# Altium PCB 400503.PcbDoc (part 2 of 3) (continued)
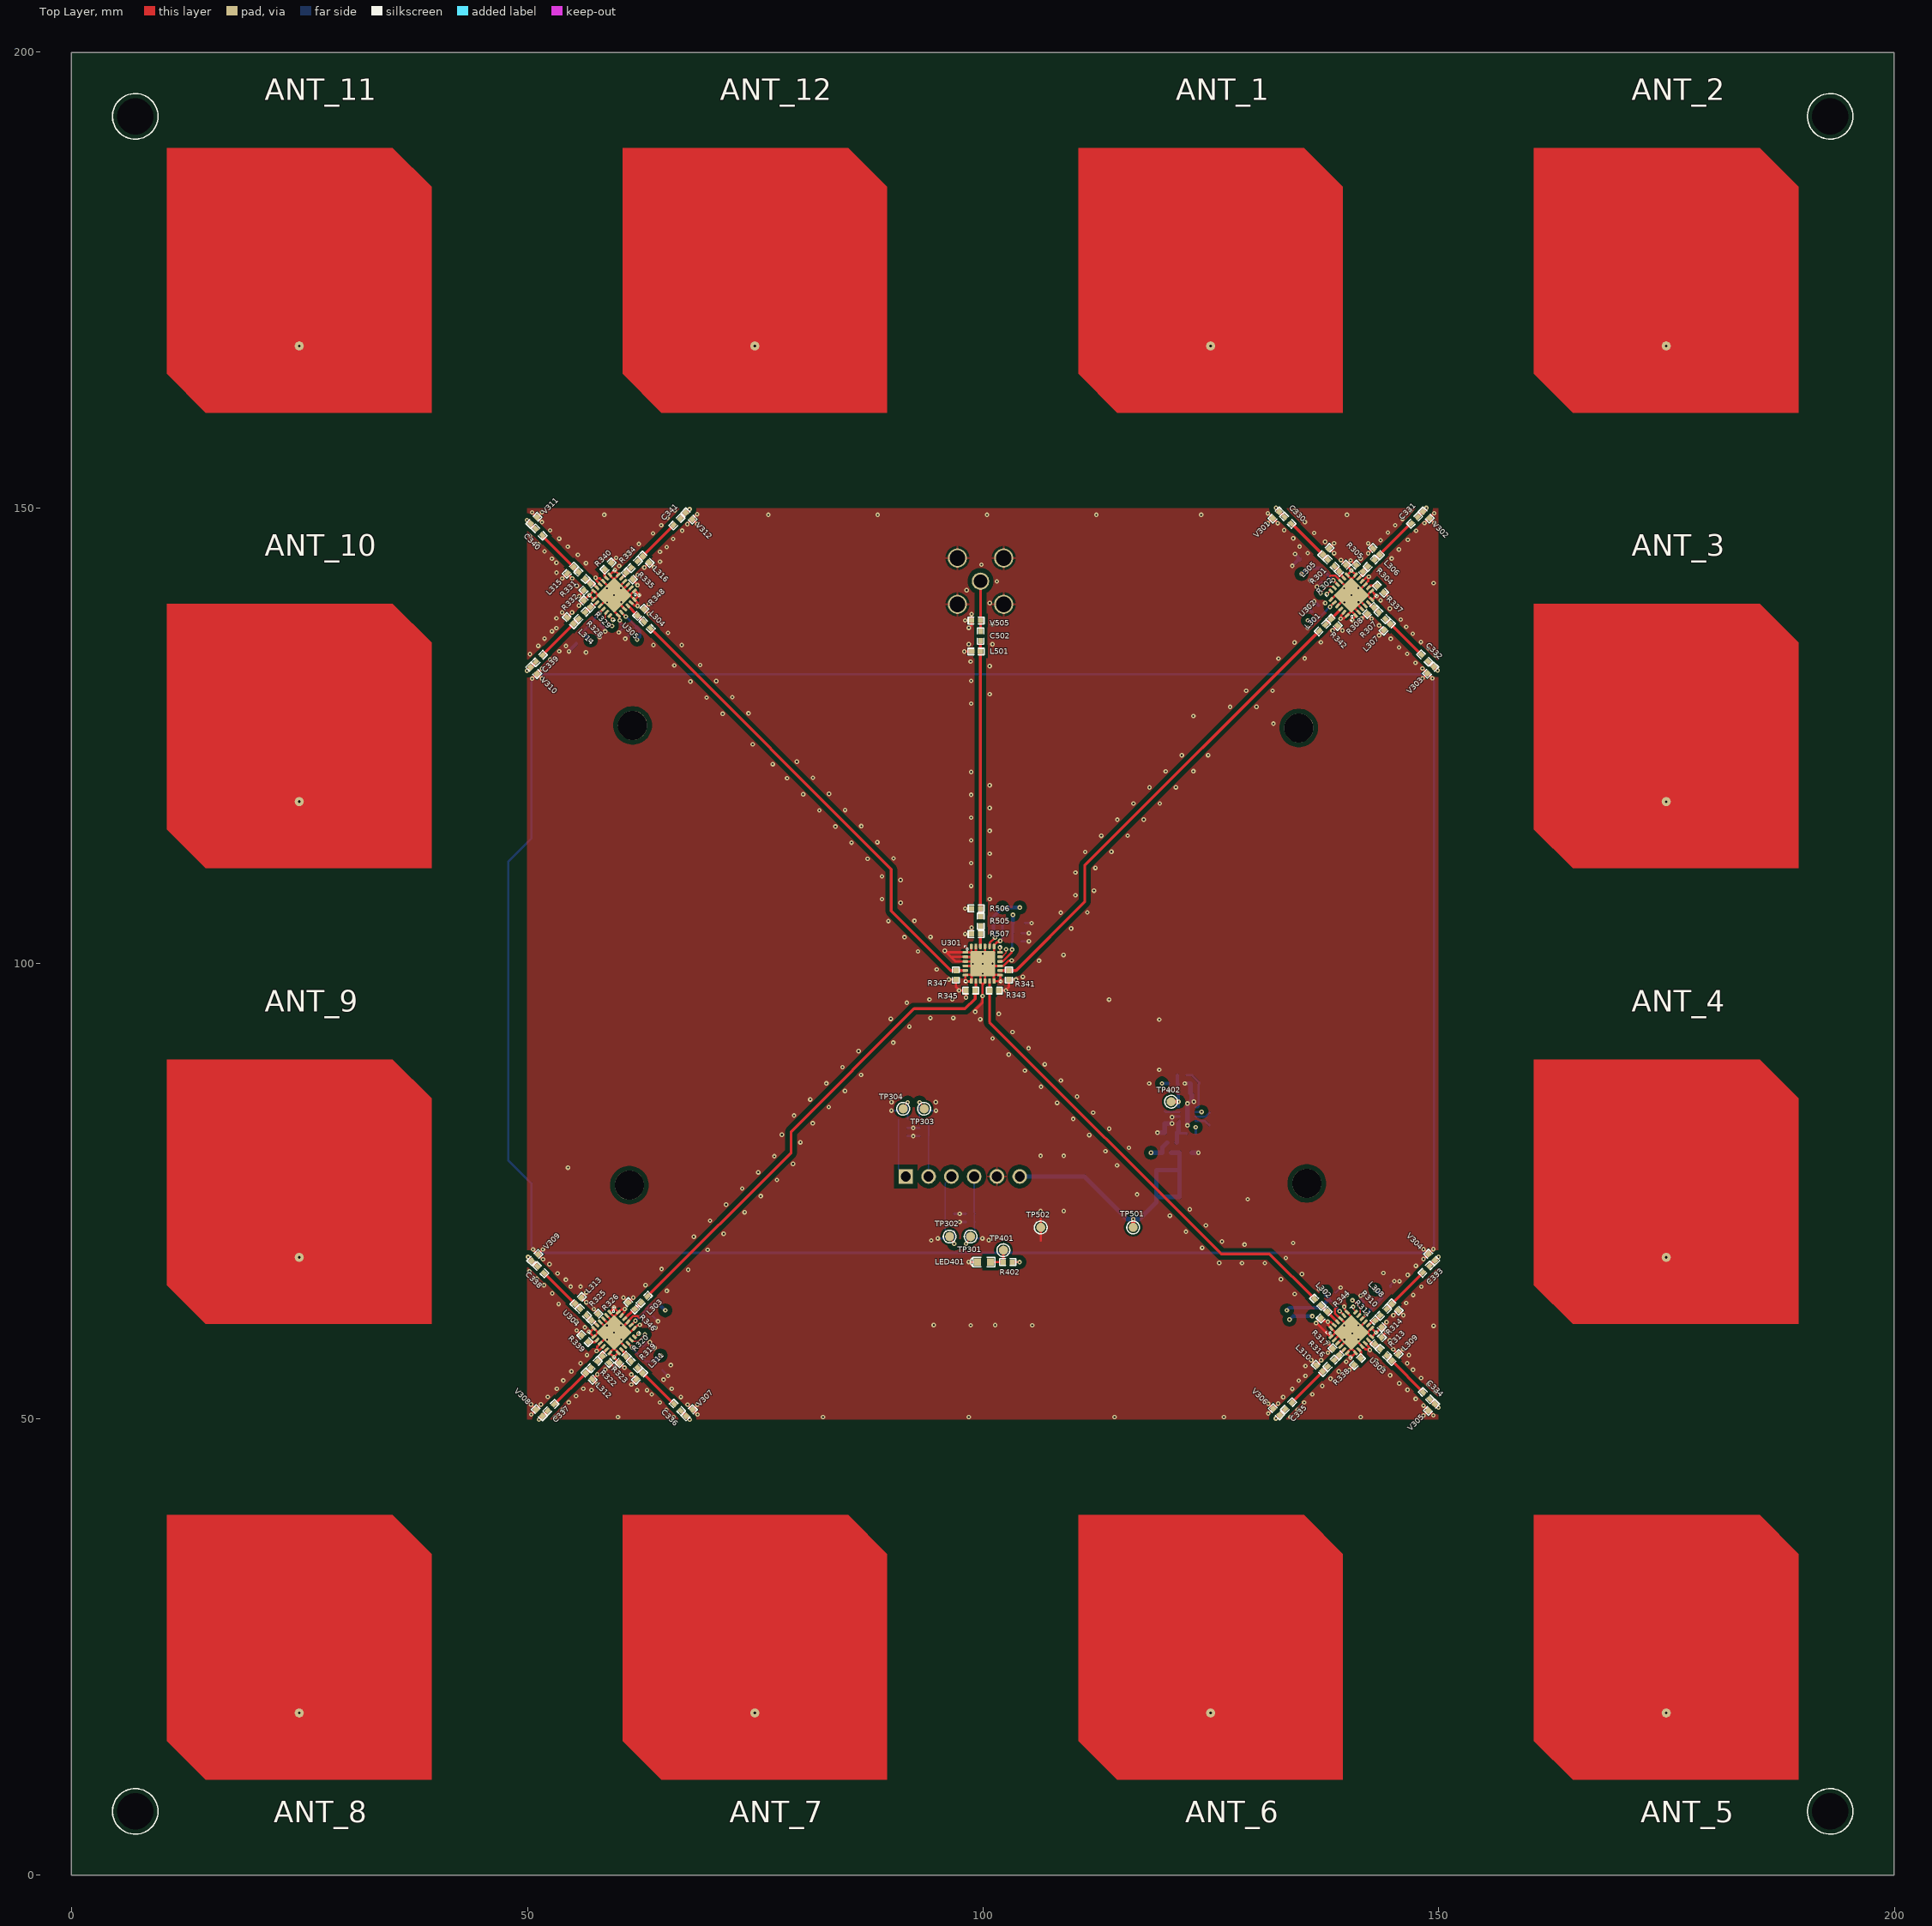
[diagram p0: Top Layer view]
## Nets (pads, with @x,y where several pads share a name; then routed paths per layer and width w, separated by ;. In a path a pad name is that pad's centre, name@x,y a point inside that pad or via, vN(x,y) a via of type N, cw(c..) or ccw(c..) an arc to the next point about the centre after c; other vN are vias at no path point) (continued)
  other v1: 53.03,50.238 59.93,50.238 66.033,50.23 82.43,50.238 98.43,50.238 114.43,50.238 126.43,50.238 133.731,50.222 141.43,50.238 149.404,50.409 68.655,50.509 65.233,51.03 134.531,51.022 53.83,51.038 148.321,51.491 68.654,51.592 51.473,51.617 132.374,51.706 54.53,51.838 64.533,51.83 135.231,51.822 147.47,52.218 132.931,52.422 52.23,52.438 66.833,52.43 55.33,52.538 63.633,52.73 136.131,52.722 149.67,53.018 57.026,53.185 62.039,53.177 63.123,53.178 146.57,53.218 53.23,53.338 56.13,53.338 65.833,53.33 133.931,53.322 137.23,53.638 57.662,53.822 61.403,53.813 148.87,53.818 145.67,53.918 134.631,54.222 53.93,54.238 64.93,54.338 138.13,54.438 148.07,54.518 135.376,54.74 144.67,54.818 57.661,54.906 54.83,55.238 139.03,55.238 147.17,55.418 58.53,55.438 143.93,55.538 135.373,55.824 65.73,55.938 55.83,56.138 146.53,56.138 139.848,56.301 143.13,56.438 136.01,56.46 56.53,57.038 146.735,57.026 145.014,57.661 146.098,57.662 144.63,58.638 55.41,59.735 56.301,60.072 149.43,60.238 94.58,60.315 98.639,60.303 101.33,60.315 105.389,60.303 55.33,60.738 146.107,61.403 53.43,62.638 146.43,62.738 60.534,63.331 147.195,63.627 134.186,63.724 52.714,63.797 56.46,63.91 65.299,64.076 136.852,64.259 148.095,64.527 54.74,64.544 55.824,64.547 51.814,64.697 62.958,64.706 145.695,65.127 148.895,65.227 54.214,65.297 132.678,65.35 51.014,65.397 146.595,65.827 134.985,65.922 53.314,65.997 143.93,66.038 149.695,66.027 50.214,66.197 67.632,66.386 64.726,66.473 147.495,66.827 52.414,66.997 128.41,67.12 130.91,67.118 125.91,67.147 51.706,67.546 133.218,67.69 69.775,68.573 50.622,68.628 149.411,68.655 124.032,68.796 128.692,69.156 134.03,69.338 126.215,69.492 94.307,69.615 100.63,69.638 68.262,70.009 71.526,70.341 122.264,70.564 124.447,71.26 70.029,71.777 120.496,72.332 73.837,72.705 108.85,72.838 122.68,73.028 71.797,73.544 129.03,74.138 75.605,74.473 116.9,74.66 73.565,75.312 77.372,76.24 75.333,77.08 54.451,77.6 114.7,77.85 79.14,78.008 77.101,78.848 108.85,78.892 113.425,79.403 115.998,79.784 79.948,80.374 111.657,81.171 77.912,81.212 113.841,81.866 81.305,82.473 109.89,82.938 79.266,83.314 112.073,83.634 83.073,84.241 108.122,84.706 89.955,84.783 94.805,84.783 81.034,85.081 110.305,85.402 84.841,86.009 120.43,86.038 106.354,86.474 118.23,86.838 82.802,86.849 108.537,87.17 86.609,87.777 104.586,88.242 119.33,88.338 84.57,88.617 106.77,88.938 102.819,90.01 86.338,90.385 105.002,90.705 90.144,91.312 101.051,91.777 103.234,92.473 91.912,93.08 119.33,93.838 99.692,93.876 89.873,93.92 94.229,94.02 96.729,94.02 101.728,94.468 91.641,95.688 113.83,96.038 94.114,96.056 96.614,96.056 104.365,98.533 94.912,99.352 106.133,100.301 108.83,100.938 92.859,101.329 91.376,102.888 94.234,102.909 109.668,103.836 89.608,104.656 92.466,104.677 108.523,105.57 111.436,105.604 90.948,106.662 88.912,107.057 100.728,107.059 110.133,107.483 112.169,107.994 98.692,108.51 90.948,109.162 88.912,109.557 100.728,109.559 110.133,109.983 112.322,110.49 98.692,111.01 87.333,111.495 90.169,111.538 100.728,112.059 111.197,112.245 114.089,112.257 85.565,113.263 88.401,113.306 98.692,113.51 112.965,114.012 115.857,114.025 100.728,114.559 83.798,115.03 86.634,115.074 114.733,115.78 117.625,115.793 98.692,116.01 82.03,116.798 84.866,116.841 100.728,117.059 116.501,117.548 119.393,117.561 98.692,118.51 80.262,118.566 83.098,118.609 118.269,119.316 121.16,119.329 100.728,119.559 78.494,120.334 81.33,120.377 98.692,121.01 120.036,121.084 123.074,121.098 76.919,121.873 79.563,122.145 121.804,122.851 124.696,122.864 74.716,124.048 131.86,126.32 123.074,127.152 71.423,127.405 74.259,127.448 127.107,128.155 129.999,128.167 98.692,128.51 69.655,129.173 72.491,129.216 100.728,129.559 128.875,129.922 131.767,129.935 67.888,130.94 70.724,130.984 98.692,131.01 50.509,131.265 148.215,131.291 149.298,131.292 51.591,132.349 148.214,132.374 100.73,132.638 66.12,132.708 68.956,132.751 147.446,132.983 98.63,133.138 52.485,133.354 132.411,133.458 135.303,133.471 149.646,133.783 50.285,133.954 146.546,133.983 56.43,134.138 53.485,134.254 54.554,134.243 148.846,134.583 145.646,134.683 54.23,134.838 51.185,134.854 63.83,134.938 66.93,134.938 98.43,135.038 101.03,135.038 134.178,135.226 137.07,135.238 148.046,135.283 144.73,135.638 51.885,135.654 143.46,136.01 147.146,136.183 65.42,136.287 52.685,136.454 138.342,136.541 53.178,136.797 135.63,136.838 146.43,136.938 101.03,137.238 145.83,137.738 53.177,137.881 53.813,138.517 144.63,138.938 100.738,139.557 137.539,139.556 143.619,139.848 144.51,140.185 98.2,140.959 55.43,141.438 149.43,141.738 101.518,141.932 54.906,142.259 53.185,142.894 59.587,143.184 143.53,143.238 62.826,143.458 63.91,143.46 60.072,143.619 99.822,143.768 56.43,143.938 53.184,143.978 64.547,144.096 52.685,144.422 141.43,144.438 144.83,144.438 59.735,144.51 55.53,144.838 61.03,144.938 135.63,145.038 64.544,145.18 51.885,145.222 145.63,145.438 65.285,145.694 54.43,145.738 134.734,145.754 51.185,146.022 62.23,146.038 137.534,146.283 143.63,146.438 146.614,146.483 65.985,146.594 53.485,146.622 134.034,146.654 50.285,146.922 63.785,147.194 136.331,147.249 144.414,147.283 66.985,147.494 147.514,147.483 52.485,147.522 133.034,147.554 145.214,148.083 64.685,148.094 51.599,148.429 135.307,148.44 146.014,148.783 65.385,148.894 58.43,149.238 76.43,149.238 88.43,149.238 100.43,149.238 112.43,149.238 123.93,149.238 139.93,149.238 68.628,149.298 131.247,149.393 149.511,149.405 50.515,149.511 146.914,149.683 66.185,149.694 134.13,149.686
NetANT_1_1: ANT_1.1 C330.2 V301.1 | length 45.2
  Top Layer w0.315: v1(132.134,149.993) 132.134,149.957 132.496,149.595 V301.1@132.496,149.559 132.535,149.559 C330.2@133.096,148.998
  Mid-Layer 2 w0.24: v3(124.96,167.76) 124.96,173.711 123.593,175.077 119.167,175.077 117.915,173.826 117.915,164.211 v1(132.134,149.993)
NetANT_2_1: ANT_2.1 C331.2 V302.1 | length 45.2
  Top Layer w0.315: C331.2@147.695,148.999 V302.1@148.263,149.569 ; V302.1@148.263,149.57 148.263,149.587 148.644,149.968 v1(148.644,149.985)
  Mid-Layer 2 w0.24: v1(148.644,149.985) 172.561,173.903 175.397,173.903 176.425,172.874 176.425,169.225 v3(174.96,167.76)
NetANT_3_1: ANT_3.1 C332.2 V303.1 | length 45.2
  Top Layer w0.315: C332.2@148.821,133.164 148.839,133.164 V303.1@149.463,132.54 149.481,132.54 149.861,132.16 v1(149.879,132.16)
  Mid-Layer 2 w0.24: v1(149.879,132.16) 149.879,132.152 169.742,112.288 177.009,112.288 177.862,113.142 177.862,116.918 177.03,117.751 v3@174.811,117.751
  other v3: 174.96,117.751
NetANT_4_1: ANT_4.1 C333.2 V304.1 | length 45.2
  Top Layer w0.315: C333.2@148.974,66.807 148.978,66.807 V304.1@149.577,67.406 v1(149.975,67.804)
  Mid-Layer 2 w0.24: v1(149.975,67.804) 158.275,76.104 177.449,76.104 179.812,73.741 179.812,69.96 177.603,67.75 v3@174.96,67.75
  other v3: 174.96,67.759
NetANT_5_1: ANT_5.1 C334.2 V305.1 | length 45.2
  Top Layer w0.315: C334.2@148.999,52.225 149.001,52.225 V305.1@149.57,51.657 v1(149.968,51.259)
  Mid-Layer 2 w0.24: v1(149.968,51.259) 174.96,26.267 v3(174.96,17.76)
NetANT_6_1: ANT_6.1 C335.2 V306.1 | length 45.2
  Top Layer w0.315: v1(132.124,50.076) 132.142,50.076 132.522,50.457 V306.1@132.54,50.457 132.54,50.466 133.164,51.09 C335.2@133.164,51.099
  Mid-Layer 2 w0.24: v3(124.96,17.759) 119.672,17.759 118.49,18.941 118.49,36.442 v1(132.124,50.076)
NetANT_7_1: ANT_7.1 C336.2 V307.1 | length 45.2
  Top Layer w0.315: C336.2@66.807,50.946 66.807,50.942 V307.1@67.406,50.343 v1(67.804,49.945)
  Mid-Layer 2 w0.24: v1@67.792,49.933 81.69,36.035 81.69,19.226 80.224,17.76 v3(74.96,17.76)
NetANT_8_1: ANT_8.1 C337.2 V308.1 | length 45.2
  Top Layer w0.315: v1(51.259,49.952) V308.1@51.657,50.35 51.657,50.353 C337.2@52.225,50.921
  Mid-Layer 2 w0.24: v3(24.96,17.76) 24.032,18.688 24.032,22.701 v1@51.271,49.94
NetANT_9_1: ANT_9.1 C338.2 V309.1 | length 45.2
  Top Layer w0.315: v1(50.076,67.796) 50.076,67.778 50.457,67.398 V309.1@50.457,67.38 51.081,66.756 C338.2@51.099,66.756
  Mid-Layer 2 w0.24: v3(24.96,67.76) 22.448,67.76 20.265,69.943 20.265,73.921 22.457,76.114 41.758,76.114 v1(50.076,67.796)
NetANT_10_1: ANT_10.1 C339.2 V310.1 | length 45.2
  Top Layer w0.315: v1(49.945,132.116) V310.1@50.343,132.514 50.347,132.514 C339.2@50.946,133.113
  Mid-Layer 2 w0.24: v3(24.96,117.76) 23.586,117.76 22.019,116.193 22.019,113.075 23.566,111.529 29.323,111.529 49.91,132.116 v1(49.945,132.116)
NetANT_11_1: ANT_11.1 C340.2 V311.1 | length 45.2
  Top Layer w0.315: v1(49.952,148.661) V311.1@50.35,148.263 50.353,148.263 C340.2@50.921,147.695
  Mid-Layer 2 w0.24: v3(24.96,167.76) 21.912,167.76 20.772,166.619 20.772,162.238 21.912,161.097 37.517,161.097 v1(49.952,148.661)
NetANT_12_1: ANT_12.1 C341.2 V312.1 | length 45.2
  Top Layer w0.315: C341.2@66.756,148.821 66.756,148.839 V312.1@67.38,149.463 67.398,149.463 67.778,149.844 v1(67.796,149.844)
  Mid-Layer 2 w0.24: v1(67.796,149.844) 82.014,164.062 82.014,173.814 80.934,174.894 76.246,174.894 74.96,173.608 v3(74.96,167.76)
NetC326_2: C326.2 R352.2 TP304.1 U301.18 | length 38.3
  Top Layer w0.15: TP304.1@91.23,84.058 91.23,84.258 v1(91.73,84.758) ; v1(101.859,101.769) 101.86,101.768 U301.18@101.86,101.228
  Mid-Layer 2 w0.15: v1(91.73,84.758) 92.23,85.258 92.23,85.638 87.73,90.138 87.73,101.762 89.906,103.938 95.754,103.938 97.754,101.938 101.596,101.938 101.764,101.769 v1(101.859,101.769)
  Bottom Layer w0.15: R352.2@91.73,82.958 C326.2@91.73,83.858 v1(91.73,84.758)
NetC327_2: C327.2 R351.2 TP303.1 U301.17 | length 39.3
  Top Layer w0.15: v1(93.03,84.758) 93.53,84.258 TP303.1@93.53,84.058 ; U301.17@101.86,100.728 102.088,100.728 102.509,101.148 102.509,101.541 v1(102.52,101.552)
  Mid-Layer 2 w0.15: v1(93.03,84.758) 92.53,85.258 92.53,85.838 88.03,90.338 88.03,101.638 90.03,103.638 95.63,103.638 97.13,102.138 97.684,101.584 101.372,101.584 101.662,101.294 102.167,101.294 102.425,101.552 v1(102.52,101.552)
  Bottom Layer w0.15: R351.2@93.03,82.958 C327.2@93.03,83.858 v1(93.03,84.758)
NetC328_2: C328.2 R350.2 TP302.1 U302.18 U303.18 U304.18 U305.18 | length 264.4
  Top Layer w0.15: U305.18@59.046,138.187 59.039,138.179 59.039,138.073 v1(59.382,137.73) ; U304.18@61.733,59.046 61.741,59.039 61.847,59.039 v1(62.19,59.382) ; TP302.1@96.33,70.038 96.33,69.832 96.83,69.332 v1(96.83,69.238) ; v1(137.73,140.538) 138.073,140.881 138.179,140.881 U302.18@138.187,140.874 ; v1(140.609,62.334) 140.609,62.118 140.881,61.847 140.881,61.741 U303.18@140.874,61.733
  Mid-Layer 2 w0.15: v1(59.382,137.73) 57.128,137.73 55.43,136.032 55.43,65.612 57.307,63.735 57.307,62.961 59.23,61.038 59.23,60.661 60.509,59.382 v1(62.19,59.382) 62.19,59.311 62.693,58.807 63.087,58.807 63.555,59.276 63.555,61.5 65.105,63.049 66.98,63.049 75.691,71.76 94.708,71.76 96.83,69.638 v1(96.83,69.238) 97.33,69.238 103.63,62.938 133.63,62.938 134.53,62.038 134.53,60.938 135.83,59.638 138.33,59.638 139.159,60.466 139.159,60.473 140.609,61.924 v1(140.609,62.334) 141.03,62.755 141.03,63.238 140.93,63.338 140.93,67.107 143.117,69.293 143.117,134.05 140.044,137.123 140.044,138.343 138.024,140.363 138,140.363 137.825,140.538 v1(137.73,140.538)
  Bottom Layer w0.15: v1(96.83,69.238) C328.2@96.83,69.838 R350.2@96.83,70.738
NetC329_2: C329.2 R349.2 TP301.1 U302.17 U303.17 U304.17 U305.17 | length 267
  Top Layer w0.15: U305.17@58.693,138.54 58.693,138.434 58.534,138.276 58.534,137.778 v1(59.282,137.03) ; U304.17@61.38,58.693 61.486,58.693 61.644,58.534 62.142,58.534 v1(62.89,59.282) ; v1(98.13,69.238) 98.13,69.332 98.63,69.832 TP301.1@98.63,70.038 ; v1(137.03,140.638) 137.778,141.386 138.276,141.386 138.434,141.227 U302.17@138.54,141.227 ; v1(140.53,63.038) 140.578,63.038 141.386,62.23 141.386,62.142 141.386,61.644 141.227,61.486 U303.17@141.227,61.38
  Mid-Layer 2 w0.15: v1(59.282,137.03) 57.322,137.03 55.867,135.574 55.867,65.901 57.73,64.038 57.73,63.117 59.384,61.463 59.905,61.463 61.505,59.863 62.381,59.863 v1@62.89,59.354 ; v1(62.89,59.282) v1@62.89,59.354 ; v1(137.03,140.638) 137.03,140.566 137.533,140.063 137.9,140.063 139.722,138.241 139.722,137.02 142.817,133.925 142.817,69.418 140.53,67.131 v1(140.53,63.038) 140.134,62.642 140.134,61.913 138.288,60.067 136,60.067 134.93,61.138 134.93,62.238 133.73,63.438 103.93,63.438 v1(98.13,69.238) 98.03,69.238 95.038,72.23 75.629,72.23 66.87,63.471 64.981,63.471 63.255,61.745 63.255,59.647 62.962,59.354 v1@62.89,59.354
  Bottom Layer w0.15: v1(98.13,69.238) C329.2@98.13,69.838 R349.2@98.13,70.738
NetC330_1: C330.1 L305.2 R301.2 | length 5.7
  Top Layer w0.315: C330.1@133.803,148.291 133.835,148.291 137.269,144.857 R301.2@137.835,144.291
NetC331_1: C331.1 L306.2 R304.2 | length 5.7
  Top Layer w0.315: R304.2@142.942,144.284 143.508,144.85 146.95,148.292 C331.1@146.988,148.292
NetC332_1: C332.1 L307.2 R307.2 | length 5.6
  Top Layer w0.315: R307.2@144.142,137.826 144.708,137.26 144.717,137.26 148.105,133.871 C332.1@148.114,133.871
NetC333_1: C333.1 L308.2 R310.2 | length 5.7
  Top Layer w0.315: R310.2@144.291,62.085 144.857,62.651 144.857,62.67 148.267,66.08 C333.1@148.267,66.1
NetC334_1: C334.1 L309.2 R313.2 | length 5.7
  Top Layer w0.315: R313.2@144.284,56.978 144.85,56.412 144.85,56.393 148.292,52.951 C334.1@148.292,52.932
NetC335_1: C335.1 L310.2 R316.2 | length 5.6
  Top Layer w0.315: C335.1@133.871,51.806 133.871,51.815 137.26,55.203 137.26,55.212 R316.2@137.826,55.778
NetC336_1: C336.1 L311.2 R319.2 | length 5.7
  Top Layer w0.315: R319.2@62.085,55.629 62.651,55.063 62.67,55.063 66.08,51.653 C336.1@66.1,51.653
NetC337_1: C337.1 L312.2 R322.2 | length 5.7
  Top Layer w0.315: C337.1@52.932,51.628 52.951,51.628 56.393,55.07 56.412,55.07 R322.2@56.978,55.636
NetC338_1: C338.1 L313.2 R325.2 | length 5.6
  Top Layer w0.315: C338.1@51.806,66.049 51.815,66.049 55.203,62.66 55.212,62.66 R325.2@55.778,62.094
NetC339_1: C339.1 L314.2 R328.2 | length 5.7
  Top Layer w0.315: C339.1@51.653,133.82 51.653,133.84 55.063,137.25 55.063,137.269 R328.2@55.629,137.835
NetC340_1: C340.1 L315.2 R331.2 | length 5.7
  Top Layer w0.315: C340.1@51.628,146.988 51.628,146.95 55.07,143.508 R331.2@55.636,142.942
NetC341_1: C341.1 L316.2 R334.2 | length 5.6
  Top Layer w0.315: R334.2@62.094,144.142 62.66,144.708 62.66,144.717 66.049,148.105 C341.1@66.049,148.114
NetC401_2: C401.2 R401.2 R406.1 U401.1 | length 3.4
  Bottom Layer w0.3: C401.2@121.305,81.438 121.355,81.388 122.28,81.388 R406.1@122.33,81.338 ; 121.525,82.518 U401.1@121.525,82.718
  Bottom Layer w0.5: R401.2@121.23,80.338 121.242,80.338 121.267,80.363 121.267,81.4 C401.2@121.305,81.438 121.43,81.563 121.43,82.423
NetC402_1: C402.1 U401.7 | length 1.7
  Bottom Layer w0.25: U401.7@123.315,83.218 123.34,83.193 124.435,83.193 124.855,83.613 C402.1@124.88,83.613
NetC402_2: C402.2 U401.8 | length 1.7
  Bottom Layer w0.25: U401.8@123.315,82.718 124.35,82.718 124.805,82.263 C402.2@124.83,82.263
NetC403_2: C403.2 U401.3 | length 1.6
  Bottom Layer w0.25: C403.2@119.93,83.813 120.025,83.718 U401.3@121.525,83.718
NetC404_2: C404.2 R403.2 R405.1 TP402.1 U401.4 | length 4.4
  Top Layer w0.4: TP402.1@120.63,84.838 v1(121.425,84.838)
  Bottom Layer w0.15: U401.4@121.425,84.338 121.425,84.293 121.5,84.218 U401.4@121.525,84.218
  Bottom Layer w0.4: R403.2@121.33,87.738 R405.1@121.33,86.838 121.377,86.79 121.377,85.785 C404.2@121.425,85.738 v1(121.425,84.838) U401.4@121.425,84.338
NetC501_2: ANTSWIGPIO.6 C501.2 R508.1 TP501.1 | length 33
  Top Layer w0.5: TP501.1@116.47,71.038 v1(116.47,71.938)
  Bottom Layer w0.5: ANTSWIGPIO.6@104.02,76.63 111.115,76.63 115.807,71.938 v1(116.47,71.938) 117.133,71.938 119.01,73.815 119.01,74.4 ; R508.1@120.63,79.238 C501.2@121.555,79.238 121.552,79.235 121.552,77.333 121.55,77.33 ; 119.01,74.4 119.01,77.33 121.55,77.33 ; 119.01,74.4 121.55,74.4 121.55,77.33
NetC502_1: C502.1 L501.2 R505.1 R506.2 | length 30.1
  Top Layer w0.315: R505.1@99.73,105.138 R506.2@99.73,106.038 99.705,106.063 L501.2@99.705,134.238 99.718,134.25 99.718,135.25 C502.1@99.73,135.263
NetC502_2: C502.2 J1.1 V505.1 | length 5.5
  Top Layer w0.315: J1.1@99.71,141.96 J1.1@99.72,141.95 99.72,137.648 V505.1@99.73,137.638 C502.2@99.73,136.438
NetL301_2: L301.2 R342.2 U302.22 | length 2.4
  Top Layer w0.315: L301.2@137.566,137.174 137.566,137.181 R342.2@138.176,137.791 138.176,137.823 138.83,138.476 U302.22@139.247,138.894
NetL302_2: L302.2 R344.2 U303.22 | length 2.6
  Top Layer w0.315: L302.2@137.066,62.502 137.073,62.502 R344.2@137.784,61.791 137.784,61.783 U303.22@138.894,60.673
NetL303_2: L303.2 R346.2 U304.22 | length 2.6
  Top Layer w0.315: U304.22@60.673,61.026 61.731,62.084 R346.2@61.784,62.084 62.494,62.795 L303.2@62.494,62.802
NetL304_2: L304.2 R348.2 U305.22 | length 2.5
  Top Layer w0.315: U305.22@61.026,139.247 62.076,138.197 R348.2@62.076,138.184 62.08,138.184 62.791,137.474 L304.2@62.794,137.474
NetLED401_2: LED401.2 R402.1 TP401.1 | length 2.7
  Top Layer w0.25: LED401.2@100.81,67.246 100.833,67.223 R402.1@102.211,67.223 102.22,67.232 102.22,68.528 TP401.1@102.23,68.538
NetR301_1: R301.1 R302.2 U302.14 | length 1.7
  Top Layer w0.315: R301.1@138.542,143.584 R302.2@139.108,143.018 139.108,142.781 U302.14@139.601,142.288
NetR304_1: R304.1 R305.2 U302.11 | length 1.7
  Top Layer w0.315: U302.11@141.227,142.288 141.687,142.748 141.687,142.994 R305.2@141.669,143.011 R304.1@142.235,143.577
NetR307_1: R307.1 R308.2 U302.5 | length 1.6
  Top Layer w0.315: U302.5@142.288,139.601 142.798,139.091 R308.2@142.877,139.091 142.877,139.08 143.424,138.533 R307.1@143.435,138.533
NetR310_1: R310.1 R311.2 U303.14 | length 1.7
  Top Layer w0.315: U303.14@142.288,60.319 142.781,60.812 R311.2@143.018,60.812 R310.1@143.584,61.378
NetR313_1: R313.1 R314.2 U303.11 | length 1.7
  Top Layer w0.315: U303.11@142.288,58.693 142.748,58.233 142.994,58.233 R314.2@143.011,58.251 R313.1@143.577,57.685
NetR316_1: R316.1 R317.2 U303.5 | length 1.6
  Top Layer w0.315: R316.1@138.533,56.485 R317.2@139.091,57.043 139.091,57.122 U303.5@139.601,57.632
NetR319_1: R319.1 R320.2 U304.14 | length 1.7
  Top Layer w0.315: U304.14@60.319,57.632 60.812,57.139 R320.2@60.812,56.902 R319.1@61.378,56.336
NetR322_1: R322.1 R323.2 U304.11 | length 1.7
  Top Layer w0.315: R322.1@57.685,56.343 R323.2@58.251,56.909 58.233,56.926 58.233,57.172 U304.11@58.693,57.632
NetR325_1: R325.1 R326.2 U304.5 | length 1.6
  Top Layer w0.315: R325.1@56.485,61.387 R326.2@57.043,60.829 57.122,60.829 U304.5@57.632,60.319
NetR328_1: R328.1 R329.2 U305.14 | length 1.7
  Top Layer w0.25: R329.2@56.902,139.108 57.104,139.108 57.597,139.601 U305.14@57.632,139.601
  Top Layer w0.355: R328.1@56.336,138.542 R329.2@56.902,139.108
NetR331_1: R331.1 R332.2 U305.11 | length 1.7
  Top Layer w0.3: R332.2@56.909,141.669 56.926,141.687 57.172,141.687 U305.11@57.632,141.227
  Top Layer w0.355: R331.1@56.343,142.235 R332.2@56.909,141.669
NetR334_1: R334.1 R335.2 U305.5 | length 1.6
  Top Layer w0.3: U305.5@60.319,142.288 60.829,142.798 R335.2@60.829,142.877
  Top Layer w0.355: R335.2@60.829,142.877 R334.1@61.387,143.435
NetR337_1: R337.1 U302.8 | length 1.1
  Top Layer w0.3: U302.8@142.288,141.227 142.521,141.461 143.056,141.461 143.083,141.433 R337.1@143.26,141.433
NetR338_1: R338.1 U303.8 | length 1.1
  Top Layer w0.3: U303.8@141.227,57.632 141.461,57.398 141.461,56.864 141.433,56.837 R338.1@141.433,56.66
NetR339_1: R339.1 U304.8 | length 1.1
  Top Layer w0.3: R339.1@56.66,58.487 56.837,58.487 56.864,58.459 57.399,58.459 U304.8@57.632,58.693
NetR340_1: R340.1 U305.8 | length 1.1
  Top Layer w0.3: R340.1@58.487,143.26 58.487,143.083 58.459,143.056 58.459,142.521 U305.8@58.693,142.288
NetR349_1: ANTSWIGPIO.4 R349.1 R501.2 V501.1 | length 6.1
  Bottom Layer w0.15: ANTSWIGPIO.4@99.02,76.63 99.02,72.648 V501.1@99.13,72.538 99.03,72.438 99.03,71.738 R501.2@99.13,71.638 ; R501.2@99.03,71.638 99.03,70.838 R349.1@99.13,70.738
NetR350_1: ANTSWIGPIO.3 R350.1 R502.2 V502.1 | length 6.2
  Bottom Layer w0.15: R350.1@95.83,70.738 V502.1@95.83,72.538 95.83,75.87 96.52,76.56 ANTSWIGPIO.3@96.52,76.63
NetR351_1: ANTSWIGPIO.2 R351.1 R503.2 V503.1 | length 6.3
  Bottom Layer w0.15: ANTSWIGPIO.2@94.02,76.63 94.02,81.048 V503.1@94.03,81.058 R503.2@94.03,81.958 R351.1@94.03,82.958
NetR352_1: ANTSWIGPIO.1 R352.1 R504.2 V504.1 | length 6.7
  Bottom Layer w0.15: R352.1@90.73,82.958 R504.2@90.73,81.958 V504.1@90.73,81.058 90.73,77.458 91.52,76.668 ANTSWIGPIO.1@91.52,76.63
NetR403_1: R403.1 R404.2 U401.5 | length 4.7
  Bottom Layer w0.25: R403.1@122.33,87.738 122.93,87.738 123.73,86.938 R404.2@123.73,86.838 123.655,86.763 123.655,84.358 123.515,84.218 U401.5@123.315,84.218
NetR406_2: R406.2 U401.6 | length 3.3
  Mid-Layer 2 w0.25: v1(123.33,82.038) 123.33,83.068 v1(123.98,83.718)
  Bottom Layer w0.25: U401.6@123.315,83.718 v1@123.93,83.718
  Bottom Layer w0.3: R406.2@123.33,81.338 v1(123.33,82.038)

## Polygon pours and split planes (outlines as drawn)
GND on Top Layer "L1_GND" (solid, pour order 2): 149.96,49.96 149.96,149.96 49.96,149.96 49.96,49.96
GND on Mid-Layer 1 "L2_GND" (solid, pour order 3): 49.96,149.96 149.96,149.96 149.96,49.96 49.96,49.96
GND on Mid-Layer 2 "L3_GND" (solid, pour order 4): 49.96,149.96 149.96,149.96 149.96,49.96 49.96,49.96
GND on Bottom Layer "GND_L04_P005" (solid, pour order 5): 0.01,199.89 199.9,199.89 199.9,0.01 -0.04,0.01

## Keep-outs
Mid-Layer 2:
  lines w0.254: 91.41,76.61 91.45,76.61 91.54,76.61
Keep-Out Layer:
  circle w0.1: c152.017,-94.349 r0.3
  circle w0.1: c152.017,-93.549 r0.3
  circle w0.1: c152.017,-92.749 r0.3
  circle w0.1: c152.017,-91.949 r0.3
  circle w0.1: c152.017,-90.349 r0.3
  circle w0.1: c152.017,-91.149 r0.3
  circle w0.1: c50.43,-81.762 r0.3
  circle w0.1: c50.43,-82.562 r0.3
  circle w0.1: c50.43,-83.362 r0.3
  circle w0.1: c50.43,-84.162 r0.3
  circle w0.1: c50.43,-85.762 r0.3
  circle w0.1: c50.43,-84.962 r0.3
  circle w0.1: c50.43,-117.462 r0.3
  circle w0.1: c50.43,-118.262 r0.3
  circle w0.1: c50.43,-116.662 r0.3
  circle w0.1: c50.43,-115.862 r0.3
  circle w0.1: c50.43,-115.062 r0.3
  circle w0.1: c50.43,-114.262 r0.3
  circle w0.1: c140.79,-68.262 r0.3
  circle w0.1: c139.99,-68.262 r0.3
  circle w0.1: c141.59,-68.262 r0.3
  circle w0.1: c142.39,-68.262 r0.3
  circle w0.1: c143.19,-68.262 r0.3
  circle w0.1: c143.99,-68.262 r0.3
  circle w0.1: c61.73,-68.262 r0.3
  circle w0.1: c60.93,-68.262 r0.3
  circle w0.1: c62.53,-68.262 r0.3
  circle w0.1: c63.33,-68.262 r0.3
  circle w0.1: c64.13,-68.262 r0.3
  circle w0.1: c64.93,-68.262 r0.3
  circle w0.1: c61.73,-131.762 r0.3
  circle w0.1: c60.93,-131.762 r0.3
  circle w0.1: c62.53,-131.762 r0.3
  circle w0.1: c63.33,-131.762 r0.3
  circle w0.1: c64.13,-131.762 r0.3
  circle w0.1: c64.93,-131.762 r0.3
  circle w0.1: c143.99,-131.762 r0.3
  circle w0.1: c143.19,-131.762 r0.3
  circle w0.1: c142.39,-131.762 r0.3
  circle w0.1: c141.59,-131.762 r0.3
  circle w0.1: c139.99,-131.762 r0.3
  circle w0.1: c140.79,-131.762 r0.3

## Other copper
Top Layer:
  region net NetANT_3_1: 189.46,110.46 164.703,110.46 160.46,114.703 160.46,139.46 185.217,139.46 189.46,135.217
  region net NetANT_10_1: 39.46,110.46 14.703,110.46 10.46,114.703 10.46,139.46 35.217,139.46 39.46,135.217
  region net NetANT_9_1: 39.46,60.46 14.703,60.46 10.46,64.703 10.46,89.46 35.217,89.46 39.46,85.217
  region net NetANT_8_1: 10.46,39.46 35.217,39.46 39.46,35.217 39.46,10.46 14.703,10.46 10.46,14.703
  region net NetANT_7_1: 60.46,39.46 85.217,39.46 89.46,35.217 89.46,10.46 64.703,10.46 60.46,14.703
  region net NetANT_6_1: 110.46,39.46 135.217,39.46 139.46,35.217 139.46,10.46 114.703,10.46 110.46,14.703
  region net NetANT_5_1: 160.46,39.46 185.217,39.46 189.46,35.218 189.46,10.46 164.703,10.46 160.46,14.703
  region net NetANT_4_1: 189.46,60.459 164.703,60.459 160.46,64.702 160.46,89.459 185.217,89.459 189.46,85.216
  region net NetANT_2_1: 160.46,189.46 185.217,189.46 189.46,185.217 189.46,160.46 164.703,160.46 160.46,164.703
  region net NetANT_1_1: 110.46,189.46 135.217,189.46 139.46,185.217 139.46,160.46 114.703,160.46 110.46,164.703
  region net NetANT_12_1: 60.46,189.46 85.217,189.46 89.46,185.217 89.46,160.46 64.703,160.46 60.46,164.703
  region net NetANT_11_1: 10.46,189.46 35.217,189.46 39.46,185.217 39.46,160.46 14.703,160.46 10.46,164.703
Bottom Layer:
  pour cut-out: 174.96,116.398 cw(c174.96,117.76) 173.598,117.76 cw(c174.96,117.76) 174.96,119.122 cw(c174.96,117.76) 176.322,117.76 cw(c174.96,117.76)
  pour cut-out: 24.96,66.398 cw(c24.96,67.76) 23.598,67.76 cw(c24.96,67.76) 24.96,69.122 cw(c24.96,67.76) 26.322,67.76 cw(c24.96,67.76)
  pour cut-out: 24.96,116.398 cw(c24.96,117.76) 23.598,117.76 cw(c24.96,117.76) 24.96,119.122 cw(c24.96,117.76) 26.322,117.76 cw(c24.96,117.76)
  pour cut-out: 24.96,166.398 cw(c24.96,167.76) 23.598,167.76 cw(c24.96,167.76) 24.96,169.122 cw(c24.96,167.76) 26.322,167.76 cw(c24.96,167.76)
  pour cut-out: 74.96,166.398 cw(c74.96,167.76) 73.598,167.76 cw(c74.96,167.76) 74.96,169.122 cw(c74.96,167.76) 76.322,167.76 cw(c74.96,167.76)
  pour cut-out: 124.96,166.398 cw(c124.96,167.76) 123.598,167.76 cw(c124.96,167.76) 124.96,169.122 cw(c124.96,167.76) 126.322,167.76 cw(c124.96,167.76)
  pour cut-out: 174.96,166.398 cw(c174.96,167.76) 173.598,167.76 cw(c174.96,167.76) 174.96,169.122 cw(c174.96,167.76) 176.322,167.76 cw(c174.96,167.76)
  pour cut-out: 174.96,66.397 cw(c174.96,67.759) 173.598,67.759 cw(c174.96,67.759) 174.96,69.121 cw(c174.96,67.759) 176.322,67.759 cw(c174.96,67.759)
  pour cut-out: 174.96,16.399 cw(c174.96,17.76) 173.598,17.76 cw(c174.96,17.76) 174.96,19.122 cw(c174.96,17.76) 176.322,17.76 cw(c174.96,17.76)
  pour cut-out: 124.96,16.398 cw(c124.96,17.759) 123.598,17.759 cw(c124.96,17.759) 124.96,19.121 cw(c124.96,17.759) 126.322,17.759 cw(c124.96,17.759)
  pour cut-out: 74.96,16.398 cw(c74.96,17.76) 73.598,17.76 cw(c74.96,17.76) 74.96,19.122 cw(c74.96,17.76) 76.322,17.76 cw(c74.96,17.76)
  pour cut-out: 24.96,16.398 cw(c24.96,17.76) 23.598,17.76 cw(c24.96,17.76) 24.96,19.122 cw(c24.96,17.76) 26.322,17.76 cw(c24.96,17.76)
  pour cut-out: 118.73,74.738 118.73,78.788 121.127,78.788 121.216,74.738
  pour cut-out: 119.43,83.088 119.43,83.388 120.616,83.388 120.623,83.088
  pour cut-out: 120.58,82.038 120.88,82.038 120.88,81.052 120.58,81.045
  pour cut-out: 122.08,79.838 122.38,79.838 122.38,78.852 122.08,78.845
  pour cut-out: 125.43,83.088 125.43,82.788 124.444,82.788 124.437,83.088
  pour cut-out: 63.62,56.501 64.256,57.138 63.973,57.421 63.337,56.784
  pour cut-out: 56.543,136.039 57.179,135.402 57.462,135.685 56.825,136.322
  pour cut-out: 103.73,104.888 103.73,103.988 104.13,103.988 104.13,104.888

## Silkscreen, mask and mechanical layers (free items; w line width, h text height)
Top Overlay:
  circle w0.15: c6.96,6.96 r2.5
  circle w0.15: c192.96,6.96 r2.5
  circle w0.15: c192.96,192.96 r2.5
  circle w0.15: c6.96,192.96 r2.5
Bottom Overlay:
  circle w0.15: c56.986,99.958 r0.899
  lines w0.15: 121.131,84.457 121.131,84.702 121.631,84.702 ; 123.173,82.258 123.673,82.258 123.673,82.503 ; 95.93,138.238 103.43,138.238 103.43,145.738 95.93,145.738 95.93,138.238
  lines w0.254: 47.89,78.405 50.43,75.865 50.43,69.261 ccw(c51.433,69.248) 51.421,68.245 148.474,68.245 ccw(c148.474,69.261) 149.49,69.261 149.49,130.754 ccw(c148.487,130.742) 148.474,131.745 51.446,131.745 ccw(c51.446,130.729) 50.43,130.729 50.43,113.711 47.89,111.171 47.89,78.405
  text "Bluetooth AOA positioning antenna array v1.0" at 30.174,160.304 h3
  text "created by ZhangXuyang" at 30.504,155.134 h3
Top Solder:
  region: 192.464,10.67 189.403,10.67 189.403,7.479 192.464,7.479
  rectangle: 7.456,189.251 10.517,192.441
Outline:
  the board outline again, w0.3
Mechanical 2:
  circle w0.5: c24.96,117.76 r2.378
  circle w0.5: c24.96,167.76 r2.378
  circle w0.5: c74.96,167.76 r2.378
  circle w0.5: c124.96,167.76 r2.378
  circle w0.5: c174.96,167.76 r2.378
  circle w0.5: c174.96,117.76 r2.378
  circle w0.5: c174.96,67.759 r2.378
  circle w0.5: c174.96,17.76 r2.378
  circle w0.5: c24.96,67.76 r2.378
  circle w0.5: c124.96,17.759 r2.378
  circle w0.5: c74.96,17.76 r2.378
  circle w0.5: c24.96,17.76 r2.378
  circle w0.01: c6.96,192.96 r2
  circle w0.01: c192.96,6.96 r2
  circle w0.01: c6.96,6.96 r2
  circle w0.01: c192.96,192.96 r2
  lines w0.01: -0.04,-0.04 199.96,-0.04 199.96,199.96 -0.04,199.96 -0.04,-0.04